# Altium PCB PCB2.PcbDoc (part 5 of 9)
Units mil, origin at the board's own origin, x right, y up, seen from the top; angles counter-clockwise.
Board outline 7580 x 7350 mil, 6 copper layers (Signal 1, Ground 1, 2V5 and 0V6, n2V5 and n0V6, Ground 2, Signal 2), stack 52.268 mil thick; 572 components, 533 nets, 2081 pads, 679 vias.
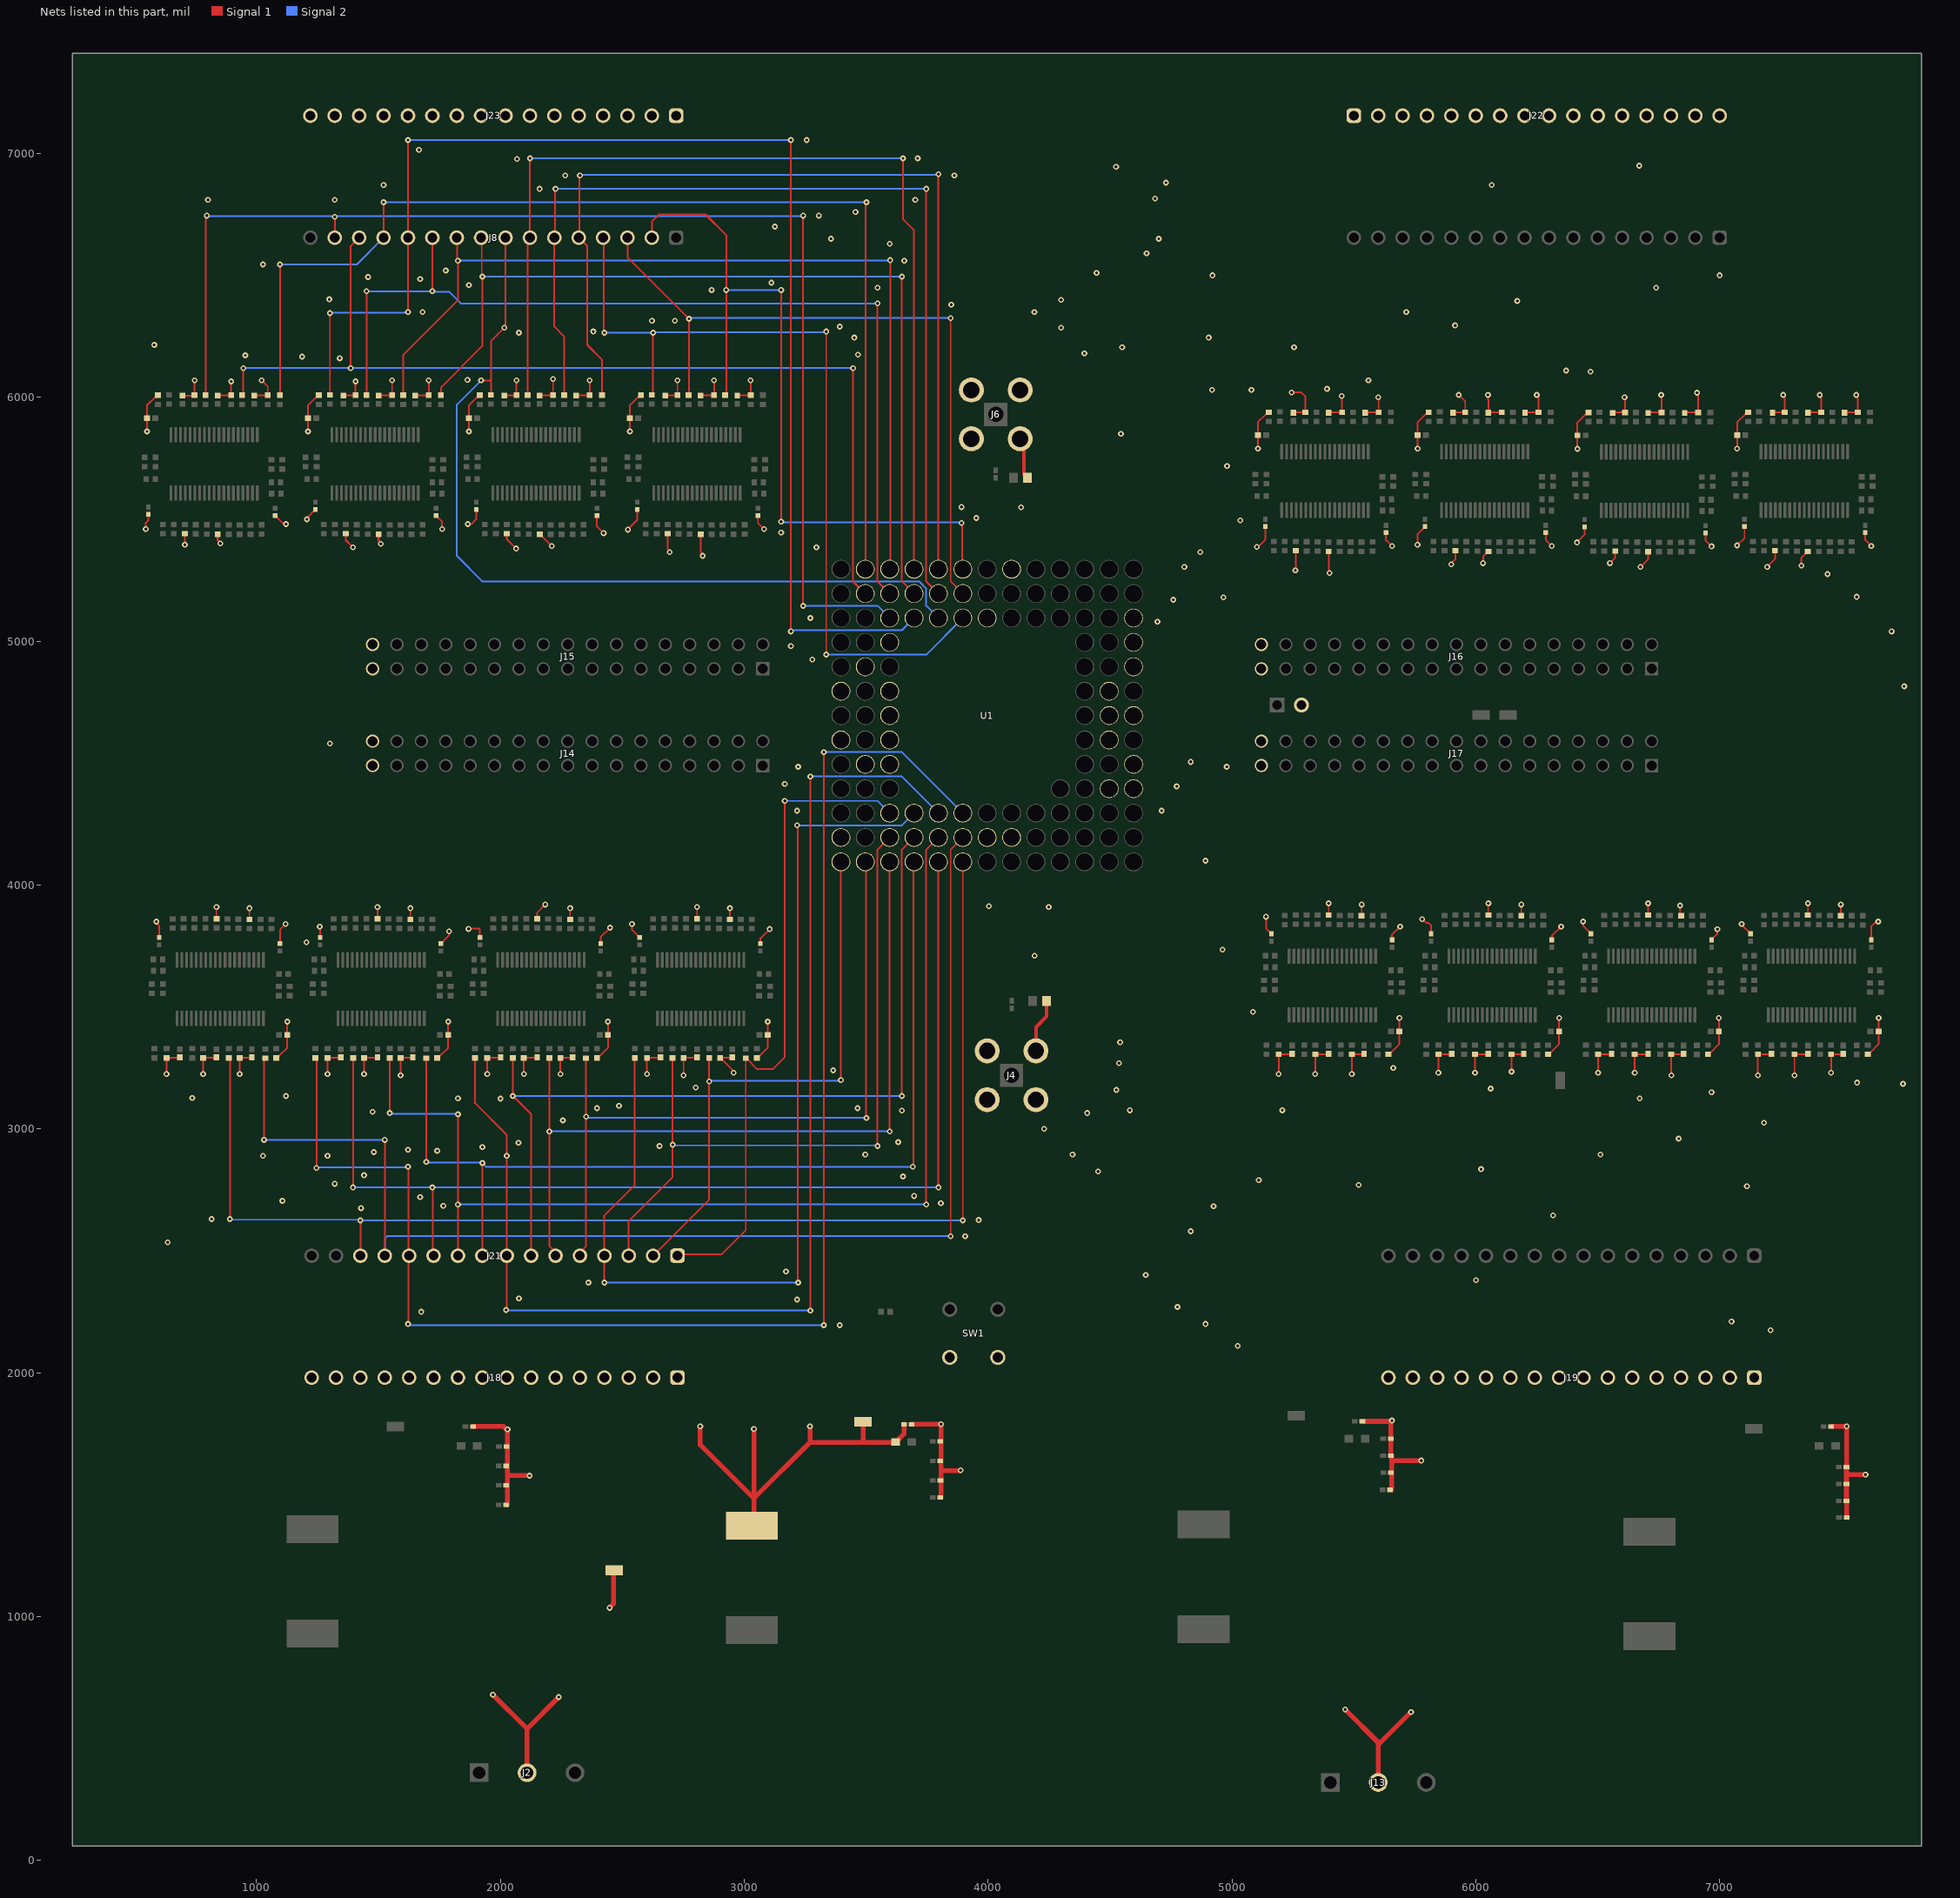
[diagram p9: the nets of this part, all layers, seen from the top]

## Via types
v1: diameter 24, hole 12, Signal 1 to Signal 2, tented both sides, 679 vias

## Nets (pads, with @x,y where several pads share a name; then routed paths per layer and width w, separated by ;. In a path a pad name is that pad's centre, name@x,y a point inside that pad or via, vN(x,y) a via of type N, cw(c..) or ccw(c..) an arc to the next point about the centre after c; other vN are vias at no path point) (continued)
GND: C1.1 C2.1 C3.1 C4.1 C5.1 C6.1 C7.1 C8.1 C9.1 C10.1 C13.1 C14.1 C15.1 C16.1 C17.1 C18.1 C19.1 C20.1 C21.1 C22.1 C23_U_single_ended_to_diff_quad1.2 C23_U_single_ended_to_diff_quad2.2 C23_U_single_ended_to_diff_quad3.2 C23_U_single_ended_to_diff_quad4.2 C23_U_single_ended_to_diff_quad5.2 C23_U_single_ended_to_diff_quad6.2 C23_U_single_ended_to_diff_quad7.2 C23_U_single_ended_to_diff_quad8.2 C23_U_single_ended_to_diff_quad9.2 C23_U_single_ended_to_diff_quad10.2 C23_U_single_ended_to_diff_quad11.2 C23_U_single_ended_to_diff_quad12.2 C23_U_single_ended_to_diff_quad13.2 C23_U_single_ended_to_diff_quad14.2 C23_U_single_ended_to_diff_quad15.2 C23_U_single_ended_to_diff_quad16.2 C24_U_single_ended_to_diff_quad1.2 C24_U_single_ended_to_diff_quad2.2 C24_U_single_ended_to_diff_quad3.2 C24_U_single_ended_to_diff_quad4.2 C24_U_single_ended_to_diff_quad5.2 C24_U_single_ended_to_diff_quad6.2 C24_U_single_ended_to_diff_quad7.2 C24_U_single_ended_to_diff_quad8.2 C24_U_single_ended_to_diff_quad9.2 C24_U_single_ended_to_diff_quad10.2 C24_U_single_ended_to_diff_quad11.2 C24_U_single_ended_to_diff_quad12.2 C24_U_single_ended_to_diff_quad13.2 C24_U_single_ended_to_diff_quad14.2 C24_U_single_ended_to_diff_quad15.2 C24_U_single_ended_to_diff_quad16.2 C25_U_single_ended_to_diff_quad1.2 C25_U_single_ended_to_diff_quad2.2 C25_U_single_ended_to_diff_quad3.2 C25_U_single_ended_to_diff_quad4.2 C25_U_single_ended_to_diff_quad5.2 C25_U_single_ended_to_diff_quad6.2 C25_U_single_ended_to_diff_quad7.2 C25_U_single_ended_to_diff_quad8.2 C25_U_single_ended_to_diff_quad9.2 C25_U_single_ended_to_diff_quad10.2 C25_U_single_ended_to_diff_quad11.2 C25_U_single_ended_to_diff_quad12.2 C25_U_single_ended_to_diff_quad13.2 C25_U_single_ended_to_diff_quad14.2 C25_U_single_ended_to_diff_quad15.2 C25_U_single_ended_to_diff_quad16.2 C26_U_single_ended_to_diff_quad1.2 C26_U_single_ended_to_diff_quad2.2 C26_U_single_ended_to_diff_quad3.2 C26_U_single_ended_to_diff_quad4.2 C26_U_single_ended_to_diff_quad5.2 C26_U_single_ended_to_diff_quad6.2 C26_U_single_ended_to_diff_quad7.2 C26_U_single_ended_to_diff_quad8.2 C26_U_single_ended_to_diff_quad9.2 C26_U_single_ended_to_diff_quad10.2 C26_U_single_ended_to_diff_quad11.2 C26_U_single_ended_to_diff_quad12.2 C26_U_single_ended_to_diff_quad13.2 C26_U_single_ended_to_diff_quad14.2 C26_U_single_ended_to_diff_quad15.2 C26_U_single_ended_to_diff_quad16.2 C27_U_single_ended_to_diff_quad1.1 C27_U_single_ended_to_diff_quad2.1 C27_U_single_ended_to_diff_quad3.1 C27_U_single_ended_to_diff_quad4.1 C27_U_single_ended_to_diff_quad5.1 C27_U_single_ended_to_diff_quad6.1 C27_U_single_ended_to_diff_quad7.1 C27_U_single_ended_to_diff_quad8.1 C27_U_single_ended_to_diff_quad9.1 C27_U_single_ended_to_diff_quad10.1 C27_U_single_ended_to_diff_quad11.1 C27_U_single_ended_to_diff_quad12.1 C27_U_single_ended_to_diff_quad13.1 C27_U_single_ended_to_diff_quad14.1 C27_U_single_ended_to_diff_quad15.1 C27_U_single_ended_to_diff_quad16.1 C28_U_single_ended_to_diff_quad1.2 C28_U_single_ended_to_diff_quad2.2 C28_U_single_ended_to_diff_quad3.2 C28_U_single_ended_to_diff_quad4.2 C28_U_single_ended_to_diff_quad5.2 C28_U_single_ended_to_diff_quad6.2 C28_U_single_ended_to_diff_quad7.2 C28_U_single_ended_to_diff_quad8.2 C28_U_single_ended_to_diff_quad9.2 C28_U_single_ended_to_diff_quad10.2 C28_U_single_ended_to_diff_quad11.2 C28_U_single_ended_to_diff_quad12.2 C28_U_single_ended_to_diff_quad13.2 C28_U_single_ended_to_diff_quad14.2 C28_U_single_ended_to_diff_quad15.2 C28_U_single_ended_to_diff_quad16.2 C29_U_single_ended_to_diff_quad1.2 C29_U_single_ended_to_diff_quad2.2 C29_U_single_ended_to_diff_quad3.2 C29_U_single_ended_to_diff_quad4.2 C29_U_single_ended_to_diff_quad5.2 C29_U_single_ended_to_diff_quad6.2 C29_U_single_ended_to_diff_quad7.2 C29_U_single_ended_to_diff_quad8.2 C29_U_single_ended_to_diff_quad9.2 C29_U_single_ended_to_diff_quad10.2 C29_U_single_ended_to_diff_quad11.2 C29_U_single_ended_to_diff_quad12.2 C29_U_single_ended_to_diff_quad13.2 C29_U_single_ended_to_diff_quad14.2 C29_U_single_ended_to_diff_quad15.2 C29_U_single_ended_to_diff_quad16.2 C30_U_single_ended_to_diff_quad1.2 C30_U_single_ended_to_diff_quad2.2 C30_U_single_ended_to_diff_quad3.2 C30_U_single_ended_to_diff_quad4.2 C30_U_single_ended_to_diff_quad5.2 C30_U_single_ended_to_diff_quad6.2 C30_U_single_ended_to_diff_quad7.2 C30_U_single_ended_to_diff_quad8.2 C30_U_single_ended_to_diff_quad9.2 C30_U_single_ended_to_diff_quad10.2 C30_U_single_ended_to_diff_quad11.2 C30_U_single_ended_to_diff_quad12.2 C30_U_single_ended_to_diff_quad13.2 C30_U_single_ended_to_diff_quad14.2 C30_U_single_ended_to_diff_quad15.2 C30_U_single_ended_to_diff_quad16.2 J2.2 J4.2 J4.3 J4.4 J4.5 J6.2 J6.3 J6.4 J6.5 J13.2 J14.33 J14.34 J15.33 J15.34 J16.33 J16.34 J17.33 J17.34 J18.1 J18.2 J18.3 J18.4 J18.5 J18.6 J18.7 J18.8 J18.9 J18.10 J18.11 J18.12 J18.13 J18.14 J18.15 J18.16 J19.1 J19.2 J19.3 J19.4 J19.5 J19.6 J19.7 J19.8 J19.9 J19.10 J19.11 J19.12 J19.13 J19.14 J19.15 J19.16 J22.1 J22.2 J22.3 J22.4 J22.5 J22.6 J22.7 J22.8 J22.9 J22.10 J22.11 J22.12 J22.13 J22.14 J22.15 J22.16 J23.1 J23.2 J23.3 J23.4 J23.5 J23.6 J23.7 J23.8 J23.9 J23.10 J23.11 J23.12 J23.13 J23.14 J23.15 J23.16 R3.1 R4.1 R9_U_single_ended_to_diff_quad1.1 R9_U_single_ended_to_diff_quad2.1 R9_U_single_ended_to_diff_quad3.1 R9_U_single_ended_to_diff_quad4.1 R9_U_single_ended_to_diff_quad5.1 R9_U_single_ended_to_diff_quad6.1 R9_U_single_ended_to_diff_quad7.1 R9_U_single_ended_to_diff_quad8.1 R9_U_single_ended_to_diff_quad9.1 R9_U_single_ended_to_diff_quad10.1 R9_U_single_ended_to_diff_quad11.1 R9_U_single_ended_to_diff_quad12.1 R9_U_single_ended_to_diff_quad13.1 R9_U_single_ended_to_diff_quad14.1 R9_U_single_ended_to_diff_quad15.1 R9_U_single_ended_to_diff_quad16.1 R15_U_single_ended_to_diff_quad1.1 R15_U_single_ended_to_diff_quad2.1 R15_U_single_ended_to_diff_quad3.1 R15_U_single_ended_to_diff_quad4.1 R15_U_single_ended_to_diff_quad5.1 R15_U_single_ended_to_diff_quad6.1 R15_U_single_ended_to_diff_quad7.1 R15_U_single_ended_to_diff_quad8.1 R15_U_single_ended_to_diff_quad9.1 R15_U_single_ended_to_diff_quad10.1 R15_U_single_ended_to_diff_quad11.1 R15_U_single_ended_to_diff_quad12.1 R15_U_single_ended_to_diff_quad13.1 R15_U_single_ended_to_diff_quad14.1 R15_U_single_ended_to_diff_quad15.1 R15_U_single_ended_to_diff_quad16.1 R21_U_single_ended_to_diff_quad1.1 R21_U_single_ended_to_diff_quad2.1 R21_U_single_ended_to_diff_quad3.1 R21_U_single_ended_to_diff_quad4.1 R21_U_single_ended_to_diff_quad5.1 R21_U_single_ended_to_diff_quad6.1 R21_U_single_ended_to_diff_quad7.1 R21_U_single_ended_to_diff_quad8.1 R21_U_single_ended_to_diff_quad9.1 R21_U_single_ended_to_diff_quad10.1 R21_U_single_ended_to_diff_quad11.1 R21_U_single_ended_to_diff_quad12.1 R21_U_single_ended_to_diff_quad13.1 R21_U_single_ended_to_diff_quad14.1 R21_U_single_ended_to_diff_quad15.1 R21_U_single_ended_to_diff_quad16.1 R26_U_single_ended_to_diff_quad1.1 R26_U_single_ended_to_diff_quad2.1 R26_U_single_ended_to_diff_quad3.1 R26_U_single_ended_to_diff_quad4.1 R26_U_single_ended_to_diff_quad5.1 R26_U_single_ended_to_diff_quad6.1 R26_U_single_ended_to_diff_quad7.1 R26_U_single_ended_to_diff_quad8.1 R26_U_single_ended_to_diff_quad9.1 R26_U_single_ended_to_diff_quad10.1 R26_U_single_ended_to_diff_quad11.1 R26_U_single_ended_to_diff_quad12.1 R26_U_single_ended_to_diff_quad13.1 R26_U_single_ended_to_diff_quad14.1 R26_U_single_ended_to_diff_quad15.1 R26_U_single_ended_to_diff_quad16.1 TP11.1 | length 16721.8
  Signal 1 w6: C27_U_single_ended_to_diff_quad1.1@836.68,3861.69 v1(836.68,3910) ; C29_U_single_ended_to_diff_quad1.2@971.68,3858.9 v1(971.68,3905) ; C27_U_single_ended_to_diff_quad3.1@2151.68,3861.69 2151.68,3886.68 v1(2185,3920) ; C29_U_single_ended_to_diff_quad3.2@2286.68,3858.9 v1(2286.68,3905) ; C27_U_single_ended_to_diff_quad4.1@2806.68,3861.69 v1(2806.68,3910) ; C29_U_single_ended_to_diff_quad4.2@2941.68,3858.9 v1(2941.68,3905) ; C27_U_single_ended_to_diff_quad13.1@5396.68,3876.69 v1(5396.68,3925) ; C29_U_single_ended_to_diff_quad13.2@5531.68,3873.9 v1(5531.68,3920) ; C27_U_single_ended_to_diff_quad14.1@6051.68,3876.69 v1(6051.68,3925) ; C29_U_single_ended_to_diff_quad14.2@6186.68,3873.9 v1(6186.68,3920) ; C27_U_single_ended_to_diff_quad15.1@6706.68,3876.69 v1(6706.68,3925) ; v1(6837.61,3915.93) 6837.61,3877.97 C29_U_single_ended_to_diff_quad15.2@6841.68,3873.9 ; C27_U_single_ended_to_diff_quad16.1@7361.68,3876.69 v1(7361.68,3925) ; C29_U_single_ended_to_diff_quad16.2@7496.68,3873.9 v1(7496.68,3920)
  Signal 1 w7: v1(546.68,5460) 546.68,5485 556.68,5495 C28_U_single_ended_to_diff_quad5.2@556.68,5520.1 ; v1(551.68,5860) C26_U_single_ended_to_diff_quad5.2@551.68,5915 551.68,5967.72 584.84,6000.87 588.66,6000.87 R26_U_single_ended_to_diff_quad5.1@596.68,6008.9 ; v1(590,3850) 590,3845.4 601.68,3833.72 C30_U_single_ended_to_diff_quad1.2@601.68,3784.9 ; v1(631.68,3225) R9_U_single_ended_to_diff_quad1.1@631.68,3291.1 684.66,3291.1 C23_U_single_ended_to_diff_quad1.2@686.68,3293.13 ; C25_U_single_ended_to_diff_quad5.2@696.68,6006.87 744.66,6006.87 R21_U_single_ended_to_diff_quad5.1@746.68,6008.9 v1(746.68,6070) ; v1(781.68,3225) R15_U_single_ended_to_diff_quad1.1@781.68,3291.1 834.66,3291.1 C24_U_single_ended_to_diff_quad1.2@836.68,3293.13 ; C24_U_single_ended_to_diff_quad5.2@841.68,6006.87 843.71,6008.9 R15_U_single_ended_to_diff_quad5.1@896.68,6008.9 v1(896.68,6065) ; v1(931.68,3225) R21_U_single_ended_to_diff_quad1.1@931.68,3291.1 979.66,3291.1 C25_U_single_ended_to_diff_quad1.2@981.68,3293.13 ; C23_U_single_ended_to_diff_quad5.2@991.68,6006.87 C23_U_single_ended_to_diff_quad5.2@993.71,6008.9 ; C23_U_single_ended_to_diff_quad5.2@991.68,6010.92 C23_U_single_ended_to_diff_quad5.2@993.71,6008.9 ; v1(1021.68,6070) 1046.68,6045 R9_U_single_ended_to_diff_quad5.1@1046.68,6008.9 C23_U_single_ended_to_diff_quad5.2@993.71,6008.9 ; C30_U_single_ended_to_diff_quad5.2@1076.68,5515.19 1076.68,5514.35 1081.98,5509.05 1082.83,5509.05 1108.81,5483.06 1118.62,5483.06 v1(1121.68,5480) ; R26_U_single_ended_to_diff_quad1.1@1081.68,3291.1 1089.71,3299.13 1093.52,3299.13 1126.68,3332.28 C26_U_single_ended_to_diff_quad1.2@1126.68,3385 v1(1126.68,3440) ; C28_U_single_ended_to_diff_quad1.2@1096.68,3759.9 1096.68,3816.68 v1(1120,3840) ; v1(1206.68,5500) 1206.68,5504.25 1241.68,5539.25 C28_U_single_ended_to_diff_quad6.2@1241.68,5540.1 ; v1(1211.68,5860) C26_U_single_ended_to_diff_quad6.2@1211.68,5915 1211.68,5967.72 1244.84,6000.87 1248.66,6000.87 R26_U_single_ended_to_diff_quad6.1@1256.68,6008.9 ; v1(1260,3830) 1261.68,3828.32 C30_U_single_ended_to_diff_quad2.2@1261.68,3784.9 ; v1(1291.68,3225) R9_U_single_ended_to_diff_quad2.1@1291.68,3291.1 1344.66,3291.1 C23_U_single_ended_to_diff_quad2.2@1346.68,3293.13 ; C25_U_single_ended_to_diff_quad6.2@1356.68,6006.87 1358.71,6008.9 R21_U_single_ended_to_diff_quad6.1@1406.68,6008.9 v1(1406.68,6065) ; v1(1441.68,3225) R15_U_single_ended_to_diff_quad2.1@1441.68,3291.1 1494.66,3291.1 C24_U_single_ended_to_diff_quad2.2@1496.68,3293.13 ; C27_U_single_ended_to_diff_quad2.1@1496.68,3861.69 v1(1496.68,3910) ; C24_U_single_ended_to_diff_quad6.2@1501.68,6006.87 1503.71,6008.9 R15_U_single_ended_to_diff_quad6.1@1556.68,6008.9 v1(1556.68,6070) ; v1(1591.68,3220) R21_U_single_ended_to_diff_quad2.1@1591.68,3286.1 ; R21_U_single_ended_to_diff_quad2.1@1591.68,3291.1 1639.66,3291.1 C25_U_single_ended_to_diff_quad2.2@1641.68,3293.13 ; C29_U_single_ended_to_diff_quad2.2@1631.68,3858.9 v1(1631.68,3905) ; C23_U_single_ended_to_diff_quad6.2@1651.68,6006.87 1653.71,6008.9 R9_U_single_ended_to_diff_quad6.1@1706.68,6008.9 v1(1706.68,6070) ; C30_U_single_ended_to_diff_quad6.2@1736.68,5515.1 1736.68,5514.25 1761.68,5489.25 v1(1761.68,5460) ; R26_U_single_ended_to_diff_quad2.1@1741.68,3291.1 1749.71,3299.13 1753.52,3299.13 1786.68,3332.28 C26_U_single_ended_to_diff_quad2.2@1786.68,3385 v1(1786.68,3440) ; C28_U_single_ended_to_diff_quad2.2@1756.68,3759.9 1756.68,3760.75 1790,3794.07 v1(1790,3810) ; v1(1866.68,5480) 1881.68,5480 1901.68,5500 C28_U_single_ended_to_diff_quad7.2@1901.68,5540.1 ; v1(1870,3820) 1871.78,3821.78 1912.58,3821.78 1916.68,3817.68 C30_U_single_ended_to_diff_quad3.2@1916.68,3784.9 ; v1(1871.68,5860) C26_U_single_ended_to_diff_quad7.2@1871.68,5915 1871.68,5967.72 1904.84,6000.87 1908.66,6000.87 R26_U_single_ended_to_diff_quad7.1@1916.68,6008.9 ; v1(1946.68,3225) R9_U_single_ended_to_diff_quad3.1@1946.68,3291.1 1999.66,3291.1 C23_U_single_ended_to_diff_quad3.2@2001.68,3293.13 ; C25_U_single_ended_to_diff_quad7.2@2016.68,6006.87 2018.71,6008.9 R21_U_single_ended_to_diff_quad7.1@2066.68,6008.9 v1(2066.68,6070) ; C29_U_single_ended_to_diff_quad7.2@2026.68,5441.1 2026.68,5418.32 v1(2065,5380) ; v1(2096.68,3225) R15_U_single_ended_to_diff_quad3.1@2096.68,3291.1 2149.66,3291.1 C24_U_single_ended_to_diff_quad3.2@2151.68,3293.13 ; C27_U_single_ended_to_diff_quad7.1@2161.68,5438.31 2162.86,5438.31 2211.17,5390 v1(2211.68,5390) ; C24_U_single_ended_to_diff_quad7.2@2161.68,6006.87 2163.71,6008.9 R15_U_single_ended_to_diff_quad7.1@2216.68,6008.9 v1(2216.68,6075) ; v1(2246.68,3225) R21_U_single_ended_to_diff_quad3.1@2246.68,3291.1 2294.66,3291.1 C25_U_single_ended_to_diff_quad3.2@2296.68,3293.13 ; C23_U_single_ended_to_diff_quad7.2@2311.68,6006.87 2313.71,6008.9 R9_U_single_ended_to_diff_quad7.1@2366.68,6008.9 v1(2366.68,6070) ; R26_U_single_ended_to_diff_quad3.1@2396.68,3291.1 2404.71,3299.13 2408.52,3299.13 2441.68,3332.28 C26_U_single_ended_to_diff_quad3.2@2441.68,3385 v1(2441.68,3440) ; C30_U_single_ended_to_diff_quad7.2@2396.68,5515.1 2396.68,5470.32 v1(2424,5443) ; C28_U_single_ended_to_diff_quad3.2@2411.68,3759.9 2411.68,3786.68 v1(2450,3825) ; v1(2523.43,5457.4) 2523.03,5457 2522,5457 2561.68,5496.68 C28_U_single_ended_to_diff_quad8.2@2561.68,5540.1 ; v1(2531.68,5860) C26_U_single_ended_to_diff_quad8.2@2531.68,5915 2531.68,5967.72 2564.84,6000.87 2568.66,6000.87 R26_U_single_ended_to_diff_quad8.1@2576.68,6008.9 ; v1(2540,3840) 2540,3817.43 2571.68,3785.75 C30_U_single_ended_to_diff_quad4.2@2571.68,3784.9 ; v1(2601.68,3225) R9_U_single_ended_to_diff_quad4.1@2601.68,3291.1 2654.66,3291.1 C23_U_single_ended_to_diff_quad4.2@2656.68,3293.13 ; C25_U_single_ended_to_diff_quad8.2@2676.68,6006.87 2678.71,6008.9 R21_U_single_ended_to_diff_quad8.1@2726.68,6008.9 v1(2726.68,6070) ; C29_U_single_ended_to_diff_quad8.2@2686.68,5441.1 2686.68,5377.92 2695,5369.6 v1(2695,5365) ; v1(2751.68,3220) R15_U_single_ended_to_diff_quad4.1@2751.68,3286.1 ; R15_U_single_ended_to_diff_quad4.1@2751.68,3291.1 2804.66,3291.1 C24_U_single_ended_to_diff_quad4.2@2806.68,3293.13 ; C27_U_single_ended_to_diff_quad8.1@2821.68,5438.31 2821.68,5362.92 2830,5354.6 v1(2830,5350) ; C24_U_single_ended_to_diff_quad8.2@2821.68,6006.87 2823.71,6008.9 R15_U_single_ended_to_diff_quad8.1@2876.68,6008.9 v1(2876.68,6070) ; R21_U_single_ended_to_diff_quad4.1@2901.68,3291.1 R21_U_single_ended_to_diff_quad4.1@2902.86,3291.1 ; C25_U_single_ended_to_diff_quad4.2@2951.68,3293.13 2949.66,3291.1 R21_U_single_ended_to_diff_quad4.1@2902.86,3291.1 ; v1(2956.68,3230) 2953.43,3233.25 2953.43,3240.54 R21_U_single_ended_to_diff_quad4.1@2902.86,3291.1 ; C23_U_single_ended_to_diff_quad8.2@2971.68,6006.87 2973.71,6008.9 R9_U_single_ended_to_diff_quad8.1@3026.68,6008.9 v1(3026.68,6070) ; R26_U_single_ended_to_diff_quad4.1@3051.68,3291.1 3059.71,3299.13 3063.52,3299.13 3096.68,3332.28 C26_U_single_ended_to_diff_quad4.2@3096.68,3385 v1(3096.68,3440) ; C30_U_single_ended_to_diff_quad8.2@3056.68,5515.1 3056.68,5485 v1(3081.68,5460) ; C28_U_single_ended_to_diff_quad4.2@3066.68,3759.9 3066.68,3781.68 3104.46,3819.46 v1(3104.85,3819.46) ; v1(5102,5387) 5102.1,5386.9 5107.9,5386.9 5136.68,5415.68 C28_U_single_ended_to_diff_quad9.2@5136.68,5470.1 ; v1(5106.68,5790) C26_U_single_ended_to_diff_quad9.2@5106.68,5845 5106.68,5897.72 5139.84,5930.87 5143.66,5930.87 R26_U_single_ended_to_diff_quad9.1@5151.68,5938.9 ; v1(5140,3870) 5140,3822.43 5161.68,3800.75 C30_U_single_ended_to_diff_quad13.2@5161.68,3799.9 ; v1(5191.68,3225) R9_U_single_ended_to_diff_quad13.1@5191.68,3306.1 5244.66,3306.1 C23_U_single_ended_to_diff_quad13.2@5246.68,3308.13 ; v1(5245,6020) 5285,6020 5301.68,6003.32 R21_U_single_ended_to_diff_quad9.1@5301.68,5938.9 5253.71,5938.9 C25_U_single_ended_to_diff_quad9.2@5251.68,5936.87 ; v1(5260,5290) 5261.68,5291.68 C29_U_single_ended_to_diff_quad9.2@5261.68,5371.1 ; v1(5341.68,3225) R15_U_single_ended_to_diff_quad13.1@5341.68,3306.1 5394.66,3306.1 C24_U_single_ended_to_diff_quad13.2@5396.68,3308.13 ; C27_U_single_ended_to_diff_quad9.1@5396.68,5368.31 5396.68,5283.32 v1(5400,5280) ; C24_U_single_ended_to_diff_quad9.2@5396.68,5936.87 5398.71,5938.9 R15_U_single_ended_to_diff_quad9.1@5451.68,5938.9 5451.68,6003.32 v1(5450,6005) ; v1(5491.68,3225) R21_U_single_ended_to_diff_quad13.1@5491.68,3306.1 5539.66,3306.1 C25_U_single_ended_to_diff_quad13.2@5541.68,3308.13 ; C23_U_single_ended_to_diff_quad9.2@5546.68,5936.87 5548.71,5938.9 R9_U_single_ended_to_diff_quad9.1@5601.68,5938.9 5601.68,5998.32 v1(5600,6000) ; C30_U_single_ended_to_diff_quad9.2@5631.68,5445.1 5631.68,5415 v1(5656.68,5390) ; R26_U_single_ended_to_diff_quad13.1@5641.68,3306.1 5649.71,3314.13 5653.52,3314.13 5686.68,3347.28 C26_U_single_ended_to_diff_quad13.2@5686.68,3400 v1(5686.68,3455) ; C28_U_single_ended_to_diff_quad13.2@5656.68,3774.9 5656.68,3796.68 v1(5690,3830) ; v1(5761,5395) 5761,5438.57 5791.68,5469.25 C28_U_single_ended_to_diff_quad10.2@5791.68,5470.1 ; v1(5761.68,5790) C26_U_single_ended_to_diff_quad10.2@5761.68,5845 5761.68,5897.72 5794.84,5930.87 5798.66,5930.87 R26_U_single_ended_to_diff_quad10.1@5806.68,5938.9 ; v1(5780,3860) 5781.88,3860 5796.85,3845.03 5804.97,3845.03 5816.68,3833.32 C30_U_single_ended_to_diff_quad14.2@5816.68,3799.9 ; v1(5846.68,3230) R9_U_single_ended_to_diff_quad14.1@5846.68,3306.1 ; R9_U_single_ended_to_diff_quad14.1@5846.68,3311.1 R9_U_single_ended_to_diff_quad14.1@5846.68,3306.1 ; v1(5900,5315) 5900,5320 5916.68,5336.68 C29_U_single_ended_to_diff_quad10.2@5916.68,5371.1 ; C23_U_single_ended_to_diff_quad14.2@5901.68,3308.13 5899.66,3306.1 R9_U_single_ended_to_diff_quad14.1@5846.68,3306.1 ; C25_U_single_ended_to_diff_quad10.2@5906.68,5936.87 5908.71,5938.9 R21_U_single_ended_to_diff_quad10.1@5956.68,5938.9 5956.68,5983.32 v1(5930,6010) ; v1(5996.68,3230) R15_U_single_ended_to_diff_quad14.1@5996.68,3306.1 6049.66,3306.1 C24_U_single_ended_to_diff_quad14.2@6051.68,3308.13 ; v1(6030,5320) 6030,5346.62 6042.98,5359.6 6042.98,5360.78 6050.5,5368.31 C27_U_single_ended_to_diff_quad10.1@6051.68,5368.31 ; v1(6050,6010) 6050,5990 6051.68,5988.32 C24_U_single_ended_to_diff_quad10.2@6051.68,5936.87 ; C24_U_single_ended_to_diff_quad10.2@6053.71,5938.9 R15_U_single_ended_to_diff_quad10.1@6106.68,5938.9 ; v1(6146.68,3235) R21_U_single_ended_to_diff_quad14.1@6146.68,3306.1 6194.66,3306.1 C25_U_single_ended_to_diff_quad14.2@6196.68,3308.13 ; C23_U_single_ended_to_diff_quad10.2@6201.68,5936.87 6203.71,5938.9 R9_U_single_ended_to_diff_quad10.1@6256.68,5938.9 6256.68,6003.32 v1(6250,6010) ; C30_U_single_ended_to_diff_quad10.2@6286.68,5445.1 6286.68,5415 v1(6311.68,5390) ; R26_U_single_ended_to_diff_quad14.1@6296.68,3306.1 6304.71,3314.13 6308.52,3314.13 6341.68,3347.28 C26_U_single_ended_to_diff_quad14.2@6341.68,3400 v1(6341.68,3455) ; C28_U_single_ended_to_diff_quad14.2@6311.68,3774.9 6311.68,3791.68 v1(6350,3830) ; v1(6415,5405) 6415,5407 6446.68,5438.68 C28_U_single_ended_to_diff_quad11.2@6446.68,5468.99 ; v1(6416.68,5788.9) C26_U_single_ended_to_diff_quad11.2@6416.68,5843.9 6416.68,5896.61 6449.84,5929.77 6453.66,5929.77 R26_U_single_ended_to_diff_quad11.1@6461.68,5937.8 ; v1(6440,3850) 6440,3832.43 6471.68,3800.75 C30_U_single_ended_to_diff_quad15.2@6471.68,3799.9 ; v1(6501.68,3230) R9_U_single_ended_to_diff_quad15.1@6501.68,3306.1 ; R9_U_single_ended_to_diff_quad15.1@6501.68,3311.1 R9_U_single_ended_to_diff_quad15.1@6501.68,3306.1 ; v1(6550,5320) 6571.68,5341.68 C29_U_single_ended_to_diff_quad11.2@6571.68,5370 ; C23_U_single_ended_to_diff_quad15.2@6556.68,3308.13 6554.66,3306.1 R9_U_single_ended_to_diff_quad15.1@6501.68,3306.1 ; C25_U_single_ended_to_diff_quad11.2@6561.68,5935.77 6563.71,5937.8 R21_U_single_ended_to_diff_quad11.1@6611.68,5937.8 6611.68,5998.32 v1(6610,6000) ; v1(6651.68,3230) R15_U_single_ended_to_diff_quad15.1@6651.68,3306.1 ; R15_U_single_ended_to_diff_quad15.1@6651.68,3311.1 R15_U_single_ended_to_diff_quad15.1@6651.68,3306.1 ; v1(6675,5305) 6706.68,5336.68 C27_U_single_ended_to_diff_quad11.1@6706.68,5367.2 ; C24_U_single_ended_to_diff_quad15.2@6706.68,3308.13 6704.66,3306.1 R15_U_single_ended_to_diff_quad15.1@6651.68,3306.1 ; C24_U_single_ended_to_diff_quad11.2@6706.68,5935.77 6708.71,5937.8 R15_U_single_ended_to_diff_quad11.1@6761.68,5937.8 6761.68,6008.32 v1(6760,6010) ; v1(6801.68,3220) R21_U_single_ended_to_diff_quad15.1@6801.68,3301.1 ; R21_U_single_ended_to_diff_quad15.1@6801.68,3306.1 6849.66,3306.1 C25_U_single_ended_to_diff_quad15.2@6851.68,3308.13 ; C23_U_single_ended_to_diff_quad11.2@6856.68,5935.77 6858.71,5937.8 R9_U_single_ended_to_diff_quad11.1@6911.68,5937.8 6911.68,6018.32 6910,6020 6908.66,6018.66 v1(6906.93,6018.66) ; C30_U_single_ended_to_diff_quad11.2@6941.68,5443.99 6941.68,5413.9 v1(6966.68,5388.9) ; R26_U_single_ended_to_diff_quad15.1@6951.68,3306.1 6959.71,3314.13 6963.52,3314.13 6996.68,3347.28 C26_U_single_ended_to_diff_quad15.2@6996.68,3400 v1(6996.68,3455) ; C28_U_single_ended_to_diff_quad15.2@6966.68,3774.9 6966.68,3775.75 6990,3799.07 6990,3820 6990.47,3819.53 v1(6990.47,3819.27) ; v1(7071,5393) 7072,5393 7101.68,5422.68 C28_U_single_ended_to_diff_quad12.2@7101.68,5470.1 ; v1(7071.68,5790) C26_U_single_ended_to_diff_quad12.2@7071.68,5845 7071.68,5897.72 7104.84,5930.87 7108.66,5930.87 R26_U_single_ended_to_diff_quad12.1@7116.68,5938.9 ; v1(7090,3840) 7090,3837.43 7126.68,3800.75 C30_U_single_ended_to_diff_quad16.2@7126.68,3799.9 ; v1(7156.68,3220) R9_U_single_ended_to_diff_quad16.1@7156.68,3301.1 ; R9_U_single_ended_to_diff_quad16.1@7156.68,3306.1 7209.66,3306.1 C23_U_single_ended_to_diff_quad16.2@7211.68,3308.13 ; v1(7195,5305) 7226.68,5336.68 C29_U_single_ended_to_diff_quad12.2@7226.68,5371.1 ; C25_U_single_ended_to_diff_quad12.2@7216.68,5936.87 7218.71,5938.9 R21_U_single_ended_to_diff_quad12.1@7266.68,5938.9 7266.68,5998.72 7260,6005.4 v1(7260,6010) ; v1(7306.68,3220) R15_U_single_ended_to_diff_quad16.1@7306.68,3301.1 ; R15_U_single_ended_to_diff_quad16.1@7306.68,3306.1 7359.66,3306.1 C24_U_single_ended_to_diff_quad16.2@7361.68,3308.13 ; v1(7335,5310) 7335,5341.62 7352.98,5359.6 7352.98,5360.78 7360.5,5368.31 C27_U_single_ended_to_diff_quad12.1@7361.68,5368.31 ; C24_U_single_ended_to_diff_quad12.2@7361.68,5936.87 7363.71,5938.9 R15_U_single_ended_to_diff_quad12.1@7416.68,5938.9 7416.68,6003.32 v1(7410,6010) ; v1(7456.68,3230) R21_U_single_ended_to_diff_quad16.1@7456.68,3306.1 ; R21_U_single_ended_to_diff_quad16.1@7456.68,3311.1 R21_U_single_ended_to_diff_quad16.1@7456.68,3306.1 ; C25_U_single_ended_to_diff_quad16.2@7506.68,3308.13 7504.66,3306.1 R21_U_single_ended_to_diff_quad16.1@7456.68,3306.1 ; C23_U_single_ended_to_diff_quad12.2@7511.68,5936.87 7513.71,5938.9 R9_U_single_ended_to_diff_quad12.1@7566.68,5938.9 7566.68,5996.68 7567.1,5997.1 7567.1,5998.3 7560,6005.4 v1(7560,6010) ; C30_U_single_ended_to_diff_quad12.2@7596.68,5445.1 7596.68,5415 v1(7621.68,5390) ; R26_U_single_ended_to_diff_quad16.1@7606.68,3306.1 7614.71,3314.13 7618.52,3314.13 7651.68,3347.28 C26_U_single_ended_to_diff_quad16.2@7651.68,3400 v1(7651.68,3455) ; C28_U_single_ended_to_diff_quad16.2@7621.68,3774.9 7621.68,3831.68 7640,3850 v1(7650,3850)
  Signal 1 w8: v1(706.68,5395) C29_U_single_ended_to_diff_quad5.2@706.68,5441.1 ; C27_U_single_ended_to_diff_quad5.1@841.68,5438.31 841.68,5415.28 852.25,5404.72 v1(852.25,5400.56) ; C29_U_single_ended_to_diff_quad6.2@1366.68,5441.1 1366.68,5414.32 v1(1396,5385) ; C27_U_single_ended_to_diff_quad6.1@1501.68,5438.31 1501.68,5411.95 1510.49,5403.14 v1(1510.49,5398.81)
  Signal 1 w14.78: J6.5@4131.68,5830 4147.87,5813.81 4147.87,5684.22 R4.1@4162.09,5670 ; J4.3@4196.68,3320 4196.68,3417.5 4240.23,3461.04 R3.1@4240.23,3525
  Signal 1 w20: C1.1@1887.8,1780 2013.4,1780 2025.4,1768 v1(2030,1768) 2030,1699.1 2028.9,1698 2028.9,1578.55 ; v1(1970,680) 2110,540 ; C7.1@2027.8,1458 2028.9,1459.1 2028.9,1578.55 ; J2.2@2110,360 2110,540 ; v1(2120,1578) 2119.45,1578.55 2028.9,1578.55 ; v1(2240,670) 2110,540 ; v1(2448,1036) 2464.19,1052.19 2464.19,1187.19 TP11.1@2467,1190 ; C14.1@3686.15,1789 v1(3807.25,1789) 3807.25,1639 3807.25,1599 ; C22.1@3807.25,1489 3807.25,1599 ; v1(3887.38,1599.98) 3886.39,1599 3807.25,1599 ; v1(5464.78,618.9) 5600,483.68 ; C2.1@5534.46,1801 C2.1@5534.71,1801 5651.92,1801 5654.92,1804 v1(5656,1804) 5656,1802.92 5651,1797.92 C5.1@5651,1730 C4.1@5651,1660 ; J13.2@5600,320 5600,483.68 ; C4.1@5654.54,1660 5654.54,1639.99 ; C6.1@5655.65,1520 5654.54,1521.1 5654.54,1639.99 ; v1(5734.78,608.9) 5604.78,478.9 5600,483.68 ; v1(5776.75,1639.99) 5654.54,1639.99 ; C13.1@7460,1780 v1(7521.1,1780) C15.1@7521.1,1615.39 ; C17.1@7519.71,1474 C16.1@7519.71,1544 7519.69,1581.97 ; C15.1@7519.71,1614 7519.69,1581.97 ; C18.1@7520.19,1406.97 C17.1@7520.19,1473.06 ; v1(7597.94,1581.97) 7519.69,1581.97
  other v1: 5023.63,2109.89 7208.63,2174.89 3391.68,2195 4891.68,2200 7048.63,2209.89 1676.68,2250 4776.68,2270 3216.68,2300 2076.68,2305 2361.68,2370 6001.68,2380 4646.74,2401.33 3171.68,2415 636.68,2535 3906.68,2560 4831.68,2580 3961.74,2626.33 816.68,2630 6316.68,2645 1429,2675 4925,2683 1766.68,2685 3806.68,2695 1106.68,2705 1671.68,2720 3696.68,2725 7111.68,2765 5519.65,2770.03 1321.68,2775 5110,2790 3651.68,2805 1441.68,2810 4451.68,2825 6021.68,2835 1026.68,2890 1291.68,2890 3496.68,2895 4346.68,2895 6511.68,2895 1481.68,2905 1741.68,2910 1621.68,2915 1926.68,2925 2653,2930 2074.81,2943.04 3632,2946 6831.68,2960 4230,3000 7181.68,3025 2256.68,3035 4406.68,3065 1476.68,3070 3646.68,3075 4581.74,3076.33 5206.74,3076.33 2396.68,3085 3465,3085 2486.68,3095 2001,3124 1826.68,3125 6671.68,3125 737,3127 1121.68,3135 6966.68,3150 4526.68,3160 6061,3165 2801.68,3170 7751.68,3185 7563.63,3189.89 3365,3240 5661.68,3250 4536.68,3270 4541.68,3355 5086.68,3480 4191,3710 4961.68,3735 1205,3765 4249,3910 4004,3913 4891.68,4100 3216.68,4305 4711.68,4305 4773.63,4404.89 3166.68,4415 3221.68,4485 4978.63,4484.89 4831.68,4505 1301.68,4580 7756.68,4815 3280,4925 3191.68,4980 7705,5040 4695,5080 3271.68,5095 4760,5170 4965,5180 7562,5182 7442,5275 4805,5305 4870,5365 3296.68,5385 3151.68,5445 5035,5495 3951.68,5505 4136,5549 3891.68,5550 4980,5718 4545,5850 4919,6030 5080,6030 5390,6035 5560,6070 1865.82,6071.19 6470,6105 6370,6110 1342,6160 1188,6167 955,6172 3466.68,6175 4395,6180 4550,6205 5255,6205 581.68,6215 3451.68,6245 4905,6245 2076.68,6265 2381.68,6270 4300,6285 3391.68,6290 5915,6295 2622,6314 2716,6314 1681.68,6350 4190,6350 5715,6350 3849.64,6380.03 6170,6395 4300,6400 1299,6402 2866.68,6440 3546.68,6450 6740,6450 1871.68,6460 3111.68,6470 1671.68,6485 1458,6493 4920,6500 7000,6500 4445,6510 1776.68,6520 1026.68,6545 3656.68,6560 4650,6590 3596.68,6630 3356.68,6650 4700,6650 3126.68,6700 3306.68,6745 3456.68,6760 801.68,6810 1321.68,6810 3701.68,6810 4685,6815 2161.68,6855 1521.68,6870 6065,6870 4730,6880 2266.68,6910 3861.68,6910 4525,6945 6670,6950 2069,6977 3711.68,6980 1666.68,7015 3256.68,7055
H1: J21.14 R23_U_single_ended_to_diff_quad1.1 U1.H1 | length 5278.2
  Signal 1 w7: v1(891.68,2630) R23_U_single_ended_to_diff_quad1.1@891.68,3286.1 ; J21.14@1426.68,2480 v1(1426.68,2625) ; v1(3896.68,2625) U1.H1@3896.68,4095
  Signal 2 w7: v1(891.68,2630) 894.18,2627.5 1424.18,2627.5 v1(1426.68,2625) v1(3896.68,2625)
H2: J21.13 R27_U_single_ended_to_diff_quad1.1 U1.H2 | length 5350
  Signal 1 w7: v1(1031.68,2955) R27_U_single_ended_to_diff_quad1.1@1031.68,3285.15 ; J21.13@1526.68,2480 v1(1526.68,2955) ; v1(3846.68,2560) 3846.68,2570 3846.68,4145 U1.H2@3896.68,4195
  Signal 2 w7: v1(1031.68,2955) v1(1526.68,2955) ; J21.13@1526.68,2480 1526.68,2550 1536.68,2560 v1(3846.68,2560)
H3: J21.12 R11_U_single_ended_to_diff_quad2.1 U1.H3 | length 6210
  Signal 1 w7: R11_U_single_ended_to_diff_quad2.1@1241.68,3291.1 1246.68,3286.1 v1(1246.68,2840) ; v1(1621.68,2200) 1624.18,2202.5 1624.18,2477.5 J21.12@1626.68,2480 1624.18,2482.5 1624.18,2842.5 v1(1621.68,2845) ; v1(3326.68,2195) v1(3326.68,4545)
  Signal 2 w7: v1(1246.68,2840) 1249.18,2842.5 1619.18,2842.5 v1(1621.68,2845) ; v1(1621.68,2200) 1626.68,2195 v1(3326.68,2195) ; v1(3326.68,4545) 3646.68,4545 U1.H3@3896.68,4295
H11: J8.4 R27_U_single_ended_to_diff_quad8.1 U1.H11 | length 3508.5
  Signal 1 w7: J8.4@2421.68,6655 2424.18,6652.5 2424.18,6267.5 v1(2426.68,6265) ; R27_U_single_ended_to_diff_quad8.1@2621.68,6009.85 2626.68,6014.85 v1(2626.68,6265) ; v1(3336.68,4945) v1(3336.68,6270)
  Signal 2 w7: v1(2426.68,6265) v1(2626.68,6265) 2629.18,6267.5 3334.18,6267.5 v1(3336.68,6270) ; v1(3336.68,4945) 3746.68,4945 U1.H11@3896.68,5095
H12: J8.3 R23_U_single_ended_to_diff_quad8.1 U1.H12 | length 2976.5
  Signal 1 w7: J8.3@2521.68,6655 2521.68,6574.32 v1@2775.07,6320.93 ; R23_U_single_ended_to_diff_quad8.1@2771.68,6008.9 2774,6011.22 v1(2774,6322) ; v1(3846.68,6325) 3846.68,5245 U1.H12@3896.68,5195
  Signal 2 w7: v1@2774,6325 v1(3846.68,6325)
H13: J8.2 R17_U_single_ended_to_diff_quad8.1 U1.H13 | length 3185
  Signal 1 w7: J8.2@2621.68,6655 2621.68,6720 2651.68,6750 2841.68,6750 2926.68,6665 v1(2926.68,6440) 2926.68,6013.9 R17_U_single_ended_to_diff_quad8.1@2921.68,6008.9 ; v1(3151.68,5490) v1(3151.68,6440) ; v1(3891.68,5485) 3894.18,5482.5 U1.H13@3894.18,5297.5
  Signal 1 w8: U1.H13@3894.18,5297.5 U1.H13@3896.68,5295
  Signal 2 w7: v1(2926.68,6440) v1(3151.68,6440) ; v1(3151.68,5490) 3154.18,5487.5 3889.18,5487.5 v1(3891.68,5485)
J1: J21.11 R17_U_single_ended_to_diff_quad2.1 U1.J1 | length 4548.2
  Signal 1 w7: v1(1396.68,2760) R17_U_single_ended_to_diff_quad2.1@1396.68,3291.1 ; v1(1721.68,2760) 1724.18,2757.5 1724.18,2482.5 J21.11@1726.68,2480 ; v1(3796.68,2760) U1.J1@3796.68,4095
  Signal 2 w7: v1(1396.68,2760) v1(3796.68,2760)
J2: J21.10 R23_U_single_ended_to_diff_quad2.1 U1.J2 | length 4526.8
  Signal 1 w7: v1(1546.68,3065) R23_U_single_ended_to_diff_quad2.1@1546.68,3291.1 ; J21.10@1826.68,2480 v1(1826.68,2690) v1(1826.68,3060) ; v1(3746.68,2690) 3746.68,4145 U1.J2@3796.68,4195
  Signal 2 w7: v1@1549.18,3062.5 v1@1824.18,3062.5 ; v1(1826.68,2690) v1(3746.68,2690)
J3: J21.8 R11_U_single_ended_to_diff_quad3.1 U1.J3 | length 5114.2
  Signal 1 w7: R11_U_single_ended_to_diff_quad3.1@1896.68,3291.1 1896.68,3105 2026.68,2975 v1(2026.68,2890) 2026.68,2260 v1(2024.18,2257.5) ; v1(3271.68,2255) v1(3271.68,4445)
  Signal 2 w7: v1(2024.18,2257.5) 2026.68,2255 v1(3271.68,2255) ; v1(3271.68,4445) 3646.68,4445 U1.J3@3796.68,4295
J11: J8.8 R27_U_single_ended_to_diff_quad7.1 U1.J11 | length 3594.1
  Signal 1 w7: v1(1921.68,6070) 1923.21,6068.47 1961.68,6068.47 ; R27_U_single_ended_to_diff_quad7.1@1961.68,6009.85 1961.68,6068.47 ; J8.8@2021.68,6655 2021.68,6290 v1(2016.68,6285) 1961.68,6230 1961.68,6068.47
  Signal 2 w7: v1(1921.68,6070) 1821.68,5970 1821.68,5350 1926.68,5245 3717.39,5245 3746.68,5215.71 3746.68,5145 U1.J11@3796.68,5095
J12: J8.6 R17_U_single_ended_to_diff_quad7.1 U1.J12 | length 4064.4
  Signal 1 w7: 2221.67,6294.99 2221.67,6290.01 2261.68,6250 R17_U_single_ended_to_diff_quad7.1@2261.68,6008.9 ; 2221.68,6295 J8.6@2221.68,6655 ; J8.6@2224.18,6655 2224.18,6852.5 v1(2226.68,6855) ; 3746.68,5245 v1(3746.68,6855)
  Signal 1 w8: 3746.68,5245 U1.J12@3796.68,5195
  Signal 2 w7: v1(2226.68,6855) v1(3746.68,6855)
J13: J8.5 R11_U_single_ended_to_diff_quad7.1 U1.J13 | length 4034.6
  Signal 1 w7: v1(2326.68,6910) 2324.18,6907.5 2324.18,6652.5 2356.68,6620 2356.68,6215 2416.68,6155 R11_U_single_ended_to_diff_quad7.1@2416.68,6008.9 ; v1(3796.68,6915) 3796.68,5300 U1.J13@3799.18,5297.5
  Signal 1 w8: U1.J13@3796.68,5295 U1.J13@3799.18,5297.5
  Signal 2 w7: v1(2326.68,6910) 2329.18,6912.5 3794.18,6912.5 v1(3796.68,6915)
K1: J21.9 R27_U_single_ended_to_diff_quad2.1 U1.K1 | length 4060.5
  Signal 1 w7: v1(1696.68,2865) R27_U_single_ended_to_diff_quad2.1@1696.68,3290.15 ; J21.9@1926.68,2480 v1(1926.68,2860) ; v1(3691.68,2845) 3694.18,2847.5 3694.18,4092.5 U1.K1@3696.68,4095
  Signal 2 w7: v1(1696.68,2865) 1699.18,2862.5 1924.18,2862.5 1941.68,2845 v1(3691.68,2845)
K2: J21.7 R17_U_single_ended_to_diff_quad3.1 U1.K2 | length 3517.9
  Signal 1 w7: R17_U_single_ended_to_diff_quad3.1@2051.68,3291.1 v1(2051.68,3135) 2126.68,3060 J21.7@2126.68,2480 ; v1(3646.68,3135) 3646.68,4145 U1.K2@3696.68,4195
  Signal 2 w7: v1(2051.68,3135) v1(3646.68,3135)
K3: J21.4 R11_U_single_ended_to_diff_quad4.1 U1.K3 | length 4145.7
  Signal 1 w7: v1(2426.68,2370) J21.4@2426.68,2480 2426.68,2645 2551.68,2770 R11_U_single_ended_to_diff_quad4.1@2551.68,3291.1 ; v1(3216.68,4245) 3219.18,4242.5 3219.18,2372.5 v1(3221.68,2370)
  Signal 2 w7: v1(2426.68,2370) v1(3221.68,2370) ; v1(3216.68,4245) 3646.68,4245 U1.K3@3696.68,4295
K11: J8.12 R27_U_single_ended_to_diff_quad6.1 U1.K11 | length 5475
  Signal 1 w7: R27_U_single_ended_to_diff_quad6.1@1301.68,6009.85 v1(1301.68,6345) ; v1(1621.68,6350) J8.12@1621.68,6655 v1(1621.68,7055) ; v1(3191.68,5040) v1(3191.68,7055)
  Signal 2 w7: v1(1301.68,6345) 1304.18,6347.5 1619.18,6347.5 v1(1621.68,6350) ; v1(1621.68,7055) v1(3191.68,7055) ; v1(3191.68,5040) 3196.68,5045 3646.68,5045 U1.K11@3696.68,5095
K12: J8.9 R11_U_single_ended_to_diff_quad6.1 U1.K12 | length 3771.6
  Signal 1 w7: R11_U_single_ended_to_diff_quad6.1@1764.89,6017.1 1764.89,6015.92 1757.86,6008.9 R11_U_single_ended_to_diff_quad6.1@1756.68,6008.9 1756.68,6040 1926.68,6210 v1(1926.68,6495) 1924.18,6497.5 1924.18,6652.5 J8.9@1921.68,6655 ; v1(3646.68,6495) 3646.68,5845.06 3646.68,5375.17 3646.68,5245 U1.K12@3696.68,5195
  Signal 2 w7: v1(1926.68,6495) v1(3646.68,6495)
K13: J8.7 R23_U_single_ended_to_diff_quad7.1 U1.K13 | length 4208.9
  Signal 1 w7: R23_U_single_ended_to_diff_quad7.1@2111.68,6008.9 2111.68,6645 J8.7@2121.68,6655 v1(2121.68,6980) ; v1(3651.68,6980) 3651.68,6730 3696.68,6685 U1.K13@3696.68,5295
  Signal 2 w7: v1(2121.68,6980) v1(3651.68,6980)
L1: J21.6 R23_U_single_ended_to_diff_quad3.1 U1.L1 | length 3321.5
  Signal 1 w7: R23_U_single_ended_to_diff_quad3.1@2201.68,3291.1 v1(2201.68,2990) 2201.68,2518.67 2226.68,2493.67 J21.6@2226.68,2480 ; v1(3596.68,2990) U1.L1@3596.68,4095
  Signal 2 w7: v1(2201.68,2990) v1(3596.68,2990)
L2: J21.3 R17_U_single_ended_to_diff_quad4.1 U1.L2 | length 3013.4
  Signal 1 w7: J21.3@2526.68,2480 2526.68,2622.35 2706.68,2802.35 v1(2706.68,2935) R17_U_single_ended_to_diff_quad4.1@2706.68,3291.1 ; v1(3546.68,2930) 3546.68,4145 U1.L2@3596.68,4195
  Signal 2 w7: v1(2706.68,2935) 2709.18,2932.5 3544.18,2932.5 v1(3546.68,2930)
L3: J21.1 R27_U_single_ended_to_diff_quad4.1 U1.L3 | length 2727.6
  Signal 1 w7: J21.1@2726.68,2480 2731.68,2485 2906.68,2485 3006.68,2585 R27_U_single_ended_to_diff_quad4.1@3006.68,3290.15 ; R27_U_single_ended_to_diff_quad4.1@3007.86,3290.15 3053.02,3245 3116.68,3245 3166.68,3295 v1(3166.68,4345)
  Signal 2 w7: v1(3166.68,4345) 3546.68,4345 U1.L3@3596.68,4295
L11: J8.15 R23_U_single_ended_to_diff_quad5.1 U1.L11 | length 5298
  Signal 1 w7: R23_U_single_ended_to_diff_quad5.1@791.68,6008.9 791.68,6735.67 796.68,6740.67 v1(796.68,6745) ; J8.15@1321.68,6655 v1(1321.68,6740) ; v1(3241.68,5145) 3241.68,5235 ; 3241.68,5285 3241.68,5235 ; v1(3241.68,6745) 3241.68,5235
  Signal 2 w7: v1(796.68,6745) 799.18,6742.5 1319.18,6742.5 v1(1321.68,6740) 1324.18,6742.5 3239.18,6742.5 v1(3241.68,6745) ; v1(3241.68,5145) 3546.68,5145 U1.L11@3596.68,5095
L12: J8.11 R23_U_single_ended_to_diff_quad6.1 U1.L12 | length 3969.6
  Signal 1 w7: R23_U_single_ended_to_diff_quad6.1@1451.68,6008.9 v1(1451.68,6435) ; J8.11@1719.18,6652.5 1721.68,6650 v1(1721.68,6435) ; 3546.68,5245 v1(3546.68,6385)
  Signal 1 w8: 3546.68,5245 U1.L12@3596.68,5195
  Signal 2 w7: v1(1451.68,6435) 1716.68,6435 v1@1719.18,6432.5 ; v1(1721.68,6435) 1723.68,6433 1789.75,6433 1837.75,6385 v1(3546.68,6385)
L13: J8.10 R17_U_single_ended_to_diff_quad6.1 U1.L13 | length 3784.7
  Signal 1 w7: R17_U_single_ended_to_diff_quad6.1@1601.68,6008.9 1601.68,6173.3 1826.68,6398.3 v1(1826.68,6560) 1824.18,6562.5 1824.18,6652.5 J8.10@1821.68,6655 ; U1.L13@3599.18,5297.5 v1(3599.18,6562.5)
  Signal 1 w8: U1.L13@3596.68,5295 U1.L13@3599.18,5297.5
  Signal 2 w7: v1(1826.68,6560) 1827.93,6561.25 v1@3597.93,6561.25 ; v1@3599.18,6561.25 v1@3597.93,6561.25 ; v1(3599.18,6562.5) v1@3597.93,6561.25
M1: J21.5 R27_U_single_ended_to_diff_quad3.1 U1.M1 | length 3024.6
  Signal 1 w7: J21.5@2326.68,2480 2326.68,2493.67 2351.68,2518.67 R27_U_single_ended_to_diff_quad3.1@2351.68,3290.15 ; U1.M1@3496.68,4095 3499.18,4092.5 3499.18,3047.5 v1(3501.68,3045)
  Signal 2 w7: v1(2351.68,3050) 2354.94,3046.75 2362.54,3046.75 2364.28,3045 v1(3501.68,3045)
M12: J8.14 R17_U_single_ended_to_diff_quad5.1 U1.M12 | length 4107.2
  Signal 1 w7: R17_U_single_ended_to_diff_quad5.1@941.68,6010.08 946.68,6015.08 v1(946.68,6120) ; v1(1386.68,6120) 1386.68,6620 J8.14@1421.68,6655 ; 3446.68,5245 v1(3446.68,6120)
  Signal 1 w8: 3446.68,5245 U1.M12@3496.68,5195
  Signal 2 w7: v1(946.68,6120) v1(3446.68,6120)
M13: J8.13 R11_U_single_ended_to_diff_quad5.1 U1.M13 | length 4637.6
  Signal 1 w7: R11_U_single_ended_to_diff_quad5.1@1096.68,6010 v1(1096.68,6545) ; J8.13@1521.68,6655 v1(1521.68,6800) ; U1.M13@3498.68,5297 3498.68,6797 v1(3501.68,6800)
  Signal 1 w8: U1.M13@3496.68,5295 U1.M13@3498.68,5297
  Signal 2 w7: v1(1096.68,6545) 1411.68,6545 J8.13@1521.68,6655 ; v1(1521.68,6800) v1(3501.68,6800)
n0V6: C14.2 J5.2 L4.2 R7.2 SW1.3 SW1.4 TP10.1 U1.A4 U1.A5 U1.A7 U1.A9 U1.A10 U1.A11 U1.B4 U1.B6 U1.B7 U1.B8 U1.F2 U1.F13 U1.G2 U1.G11 U1.L5 U1.L6 U1.L7 U1.L8 U1.L10 U1.M5 U1.M9 U1.N2 U1.N6 U1.N8 | length 1698.1
  Signal 1 w20: v1(2820,1780) 2820,1704.49 3040,1484.49 ; L4.2@3032,1373.57 3040,1381.57 3040,1484.49 ; v1(3040,1770) 3040,1484.49 ; v1(3270,1780) 3270,1714.49 ; TP10.1@3488,1799 3488,1716.49 3486,1714.49 ; R7.2@3616,1712 3613.51,1714.49 3486,1714.49 ; R7.2@3620.54,1716 3622.5,1716 3655.44,1748.94 C14.2@3655.44,1789 ; 3040,1484.49 3270,1714.49 ; 3270,1714.49 3486,1714.49
N1: J21.2 R23_U_single_ended_to_diff_quad4.1 U1.N1 | length 2343.4
  Signal 1 w7: J21.2@2626.68,2480 2856.68,2710 R23_U_single_ended_to_diff_quad4.1@2856.68,3291.1 ; v1(3396.68,3200) U1.N1@3396.68,4095
  Signal 2 w7: v1(2856.68,3195) 2859.18,3197.5 3394.18,3197.5 v1(3396.68,3200)